# Altium PCB qwq.pcbdoc (part 3 of 3)
Units mil, origin at the board's own origin, x right, y up, seen from the top; angles counter-clockwise.
Board outline 7804.77 x 7315.9 mil, 6 copper layers (Top Layer, Inner1, Inner2, Inner3, Mid-Layer 4, Bottom Layer), stack 84 mil thick; 54 components, 121 nets, 696 pads, 479 vias.
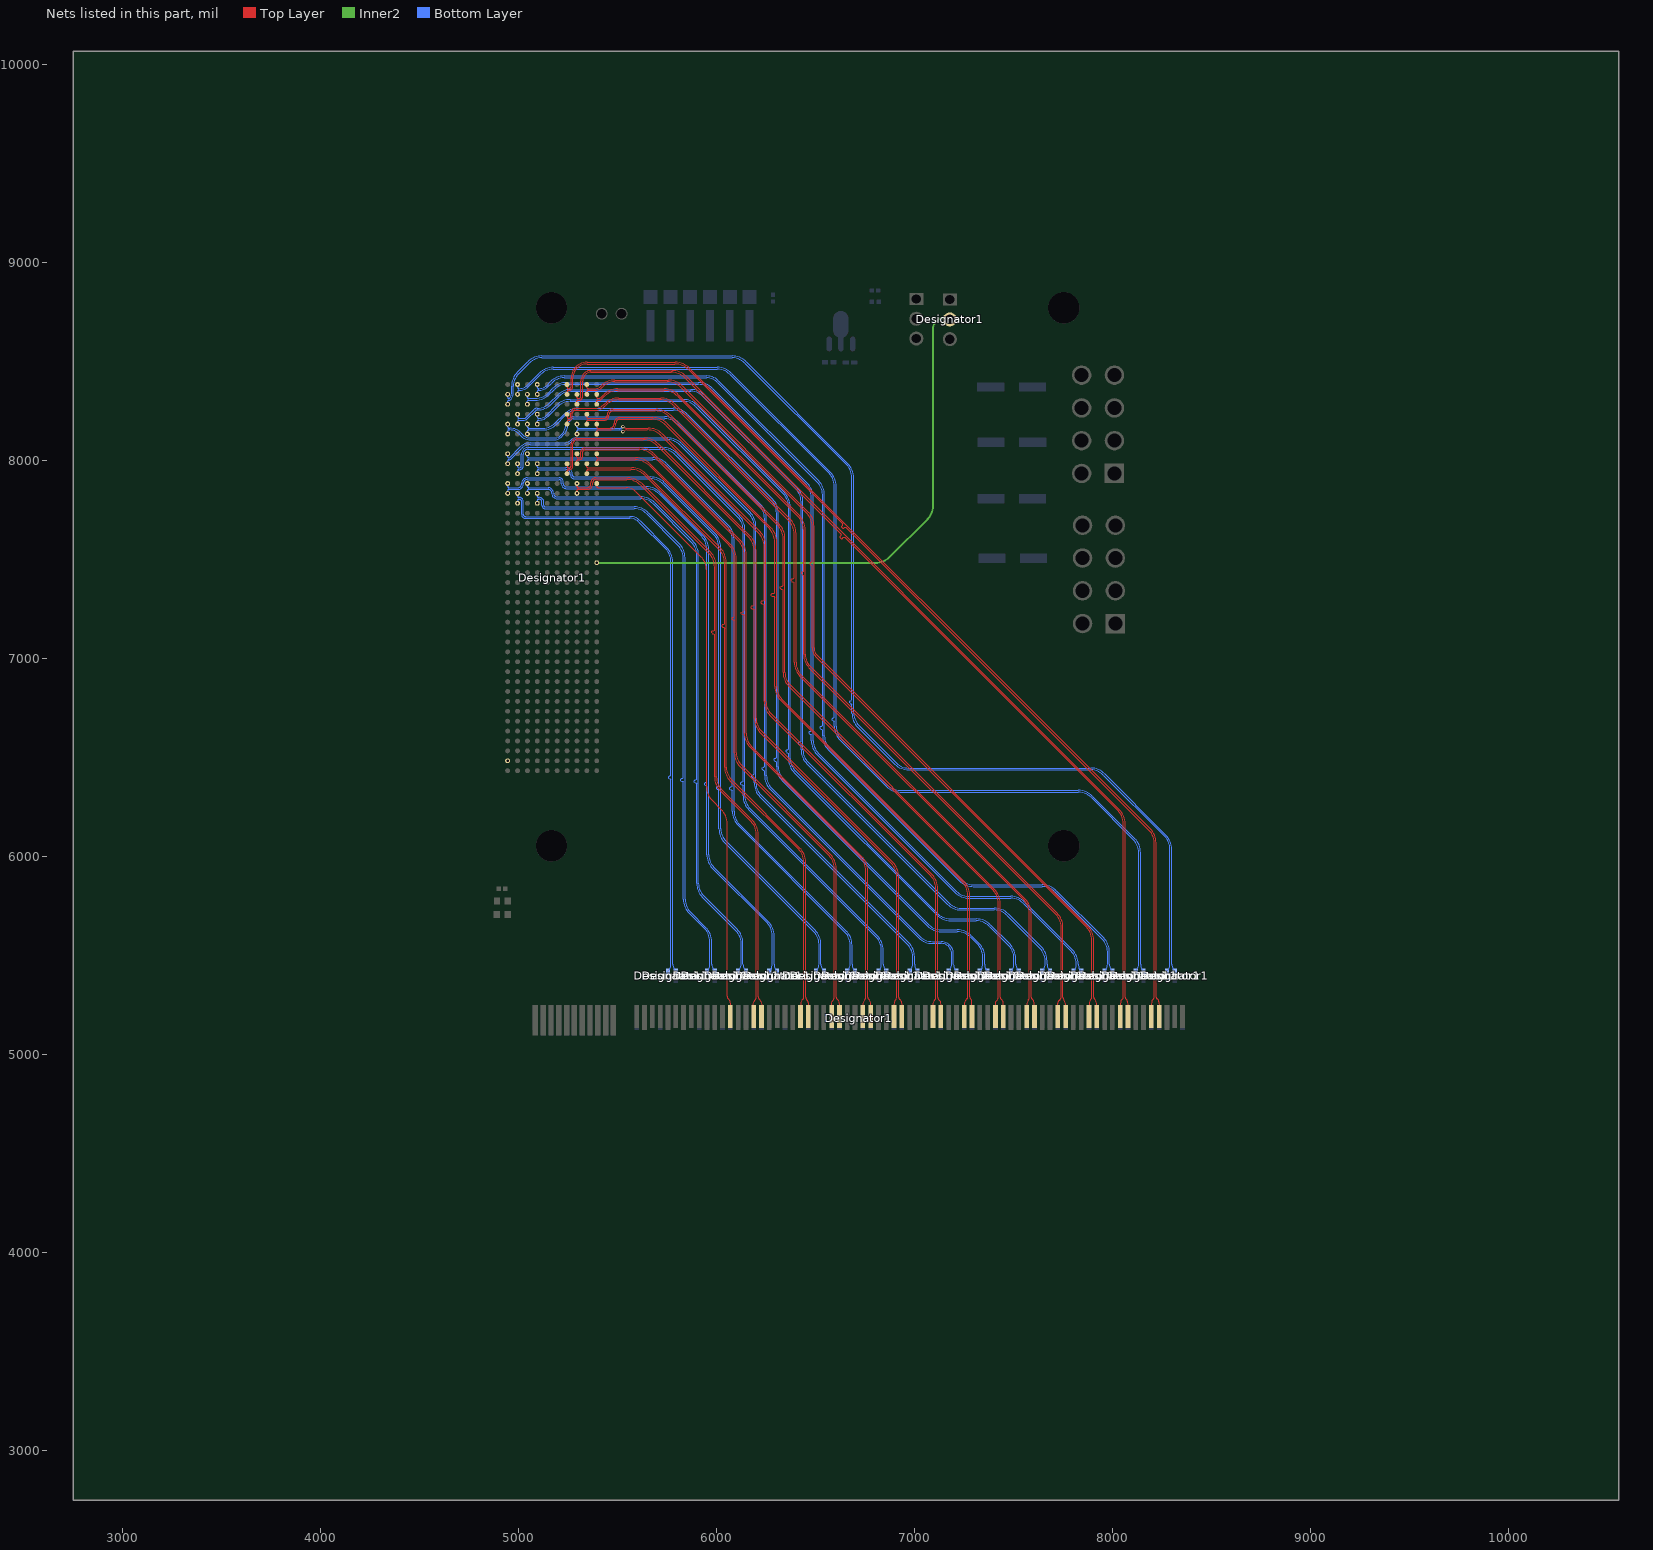
[diagram p7: the nets of this part, all layers, seen from the top]

## Via types
v1: diameter 17.7, hole 11.81, Top Layer to Bottom Layer, 285 vias
v2: diameter 17.72, hole 11.81, Top Layer to Bottom Layer, 142 vias
v3: diameter 17.7, hole 11.8, Top Layer to Bottom Layer, 52 vias

## Nets (pads, with @x,y where several pads share a name; then routed paths per layer and width w, separated by ;. In a path a pad name is that pad's centre, name@x,y a point inside that pad or via, vN(x,y) a via of type N, cw(c..) or ccw(c..) an arc to the next point about the centre after c; other vN are vias at no path point) (continued)
RX2-: Designator1.A11@5393.77,7882.76 Designator1.B24@6068.34,5191.27 | length 3008.8
  Top Layer w5.2: Designator1.A11@5393.77,7882.76 5393.77,7868.64 ccw(c5400.04,7868.64) 5395.6,7864.2 ccw(c5400.04,7868.64) 5400.04,7862.36 5541.8,7862.36 cw(c5541.8,7793.04) 5590.82,7842.06 5918.92,7513.96 cw(c5848.21,7443.25) 5948.21,7443.25 5948.21,6349 ccw(c6039.01,6349) 5974.8,6284.79 6023.02,6236.57 cw(c5952.31,6165.86) 6052.31,6165.86 6052.31,5292.92 ccw(c6067.37,5292.92) 6058.07,5281.08 cw(c6040.59,5258.78) 6068.33,5264.56 cw(c5984.27,5247.05) Designator1.B24@6069.58,5237.34
RX3+: Designator1.B27@6186.45,5191.27 Designator1.C12 | length 3260.2
  Top Layer w5.2: v3(5293.77,7832.76) 5293.77,7846.89 cw(c5300.04,7846.89) 5295.6,7851.33 cw(c5300.04,7846.89) 5300.04,7853.16 5345.93,7853.16 ccw(c5345.93,7880.43) 5373.19,7880.43 5373.19,7886.94 cw(c5389.2,7886.94) 5389.2,7902.95 5545.9,7902.95 cw(c5545.9,7802.95) 5616.61,7873.66 5959.5,7530.77 cw(c5888.79,7460.06) 5988.79,7460.06 5988.79,7143.06 5985.12,7139.38 5978.12,7139.38 5974.44,7135.71 5974.44,7128.06 5978.12,7124.38 5985.12,7124.38 5988.79,7120.71 5988.79,6401.91 ccw(c6088.79,6401.91) 6018.08,6331.2 6173.27,6176.01 cw(c6109.06,6111.81) 6199.86,6111.81 6199.86,5291.19 cw(c6176.4,5291.19) 6191.46,5273.2 ccw(c6213.84,5250.82) Designator1.B27@6182.4,5247.18
RX3-: Designator1.B28@6225.82,5191.27 Designator1.C11 | length 3258.3
  Top Layer w5.2: v3(5293.77,7882.76) 5293.77,7868.64 ccw(c5300.04,7868.64) 5295.6,7864.2 ccw(c5300.04,7868.64) 5300.04,7862.36 5345.93,7862.36 ccw(c5345.93,7880.43) 5363.99,7880.43 5363.99,7886.94 cw(c5389.2,7886.94) 5389.2,7912.15 5549.71,7912.15 cw(c5549.71,7812.15) 5620.42,7882.86 5968.7,7534.58 cw(c5897.99,7463.87) 5997.99,7463.87 5997.99,6401.91 ccw(c6088.79,6401.91) 6024.59,6337.7 6179.77,6182.52 cw(c6109.06,6111.81) 6209.06,6111.81 6209.06,5291.19 ccw(c6228.26,5291.19) 6213.8,5278.57 6222.15,5269.15 cw(c6201.7,5251.01) Designator1.B28@6228.45,5245.38
RX4+: Designator1.B10@5343.77,7932.76 Designator1.B33@6422.67,5191.27 | length 3339.7
  Top Layer w5.2: Designator1.B10@5343.77,7932.76 5343.77,7946.89 cw(c5350.04,7946.89) 5345.6,7951.33 cw(c5350.04,7946.89) 5350.04,7953.16 5566.7,7953.16 cw(c5566.7,7853.16) 5637.41,7923.88 6009.72,7551.57 cw(c5939.01,7480.86) 6039.01,7480.86 6039.01,7175.39 6035.33,7171.72 6031.24,7171.72 6027.56,7168.04 6027.56,7160.39 6031.24,7156.72 6035.33,7156.72 6039.01,7153.04 6039.01,6451.28 ccw(c6139.01,6451.28) 6068.3,6380.57 6413.24,6035.62 cw(c6349.04,5971.42) 6439.84,5971.42 6439.84,5287.77 cw(c6430.54,5287.77) 6435.97,5280.22 ccw(c6453.71,5255.54) 6423.41,5258 ccw(c6864.44,5222.23) Designator1.B33@6422.45,5242.96
RX4-: Designator1.B9@5343.77,7982.76 Designator1.B34@6462.04,5191.27 | length 3338.4
  Top Layer w5.2: Designator1.B9@5343.77,7982.76 5343.77,7968.64 ccw(c5350.04,7968.64) 5345.6,7964.2 ccw(c5350.04,7968.64) 5350.04,7962.36 5570.51,7962.36 cw(c5570.51,7862.36) 5641.22,7933.08 6018.92,7555.38 cw(c5948.21,7484.67) 6048.21,7484.67 6048.21,6451.28 ccw(c6139.01,6451.28) 6074.8,6387.07 6419.75,6042.13 cw(c6349.04,5971.42) 6449.04,5971.42 6449.04,5287.77 ccw(c6464.9,5287.77) 6455.76,5274.8 cw(c6440.97,5260.01) 6461.89,5259.77 ccw(c7010.22,5253.38) Designator1.B34@6461.94,5243.57
RX5+: Designator1.A9@5393.77,7982.76 Designator1.B37@6580.15,5191.27 | length 3411.9
  Top Layer w5.2: Designator1.A9@5393.77,7982.76 5393.77,7996.89 cw(c5400.04,7996.89) 5395.6,8001.33 cw(c5400.04,7996.89) 5400.04,8003.16 5587.41,8003.16 cw(c5587.41,7903.16) 5658.12,7973.88 6059.72,7572.28 cw(c5989.01,7501.57) 6089.01,7501.57 6089.01,7212.35 6085.33,7208.67 6080.89,7208.67 6077.21,7204.99 6077.21,7197.35 6080.89,7193.67 6085.33,7193.67 6089.01,7189.99 6089.01,6523.12 ccw(c6189.01,6523.12) 6118.3,6452.41 6566.94,6003.76 cw(c6502.74,5939.56) 6593.54,5939.56 6593.54,5287.8 cw(c6579.88,5287.8) 6588.69,5277.37 ccw(c6617.28,5248.78) Designator1.B37@6576.92,5246.39
RX5-: Designator1.A8@5393.77,8032.76 Designator1.B38@6619.52,5191.27 | length 3414.4
  Top Layer w5.2: Designator1.A8@5393.77,8032.76 5393.77,8018.64 ccw(c5400.04,8018.64) 5395.6,8014.2 ccw(c5400.04,8018.64) 5400.04,8012.36 5591.23,8012.36 cw(c5591.23,7912.36) 5661.94,7983.08 6068.92,7576.09 cw(c5998.21,7505.38) 6098.21,7505.38 6098.21,6523.12 ccw(c6189.01,6523.12) 6124.8,6458.91 6573.45,6010.27 cw(c6502.74,5939.56) 6602.74,5939.56 6602.74,5287.8 ccw(c6613.3,5287.8) 6607.3,5279.12 cw(c6591.54,5256.3) 6618.69,5261.95 cw(c6546.89,5246.99) Designator1.B38@6620.21,5245.1
RX6+: Designator1.B41 Designator1.C9 | length 3683
  Top Layer w5.2: Designator1.C9@5293.77,7982.76 5293.77,7996.89 cw(c5300.04,7996.89) 5295.6,8001.33 cw(c5300.04,7996.89) 5300.04,8003.16 5304.87,8003.16 ccw(c5304.87,8020.49) 5322.19,8020.49 5322.19,8041.95 cw(c5333.19,8041.95) 5333.19,8052.95 5608.04,8052.95 cw(c5608.04,7952.95) 5678.75,8023.66 6109.5,7592.9 cw(c6038.79,7522.19) 6138.79,7522.19 6138.79,7240.06 6135.12,7236.38 6128.24,7236.38 6124.56,7232.71 6124.56,7225.06 6128.24,7221.38 6135.12,7221.38 6138.79,7217.71 6138.79,6621.05 ccw(c6238.79,6621.05) 6168.08,6550.34 6725.76,5992.66 cw(c6661.56,5928.46) 6752.36,5928.46 6752.36,5289.28 cw(c6733.94,5289.28) 6747.67,5277 ccw(c6780.48,5247.68) 6739.62,5264.02 ccw(c6777.11,5249.03) Designator1.B41@6736.97,5244.73
RX6-: Designator1.B42 Designator1.C8 | length 3675.9
  Top Layer w5.2: Designator1.C8@5293.77,8032.76 5293.77,8018.64 ccw(c5300.04,8018.64) 5295.6,8014.2 ccw(c5300.04,8018.64) 5300.04,8012.36 5304.87,8012.36 ccw(c5304.87,8020.49) 5312.99,8020.49 5312.99,8041.95 cw(c5333.19,8041.95) 5333.19,8062.15 5611.85,8062.15 cw(c5611.85,7962.15) 5682.56,8032.86 6118.7,7596.71 cw(c6047.99,7526) 6147.99,7526 6147.99,6621.05 ccw(c6238.79,6621.05) 6174.59,6556.85 6732.27,5999.17 cw(c6661.56,5928.46) 6761.56,5928.46 6761.56,5289.28 ccw(c6775.26,5289.28) 6766.58,5278.68 cw(c6750.1,5258.54) 6775.16,5265.54 cw(c6711.68,5247.81) Designator1.B42@6777.59,5247.84
RX7+: Designator1.B45 Designator1.D10 | length 3955.8
  Top Layer w5.2: Designator1.D10@5244.13,7932.76 5244.13,7946.89 cw(c5250.41,7946.89) 5245.97,7951.33 cw(c5250.41,7946.89) 5250.41,7953.16 5254.82,7953.16 ccw(c5254.82,7971.54) 5273.19,7971.54 5273.19,8083.02 cw(c5293.12,8083.02) 5293.12,8102.95 5628.75,8102.95 cw(c5628.75,8002.95) 5699.46,8073.66 6159.5,7613.61 cw(c6088.79,7542.9) 6188.79,7542.9 6188.79,7268.93 6185.12,7265.25 6176.74,7265.25 6173.06,7261.58 6173.06,7253.93 6176.74,7250.25 6185.12,7250.25 6188.79,7246.58 6188.79,6698.67 ccw(c6288.79,6698.67) 6218.08,6627.96 6881.72,5964.33 cw(c6817.51,5900.12) 6908.31,5900.12 6908.31,5289.64 cw(c6885.58,5289.64) 6903.03,5275.08 ccw(c6931.6,5251.25) Designator1.B45@6894.72,5246.38
RX7-: Designator1.B46 Designator1.D9 | length 3950.7
  Top Layer w5.2: Designator1.D9@5243.77,7982.76 5243.77,7969.26 ccw(c5250.66,7969.26) 5245.79,7964.38 ccw(c5250.66,7969.26) 5250.66,7962.36 5254.82,7962.36 ccw(c5254.82,7971.54) 5263.99,7971.54 5263.99,8083.02 cw(c5293.12,8083.02) 5293.12,8112.15 5632.56,8112.15 cw(c5632.56,8012.15) 5703.27,8082.86 6168.7,7617.42 cw(c6097.99,7546.71) 6197.99,7546.71 6197.99,6698.67 ccw(c6288.79,6698.67) 6224.59,6634.47 6888.22,5970.83 cw(c6817.51,5900.12) 6917.51,5900.12 6917.51,5289.64 ccw(c6931.24,5289.64) 6921.72,5279.75 ccw(c6989.04,5349.67) 6926.39,5275.54 cw(c6910.97,5257.3) 6934.47,5261.53 cw(c6886.61,5252.92) Designator1.B46@6934.81,5246.49
RX8+: Designator1.B50 Designator1.C6 | length 3922.5
  Top Layer w5.2: v3(5525.99,8145.15) 5526.21,8145.37 cw(c5544.99,8126.59) 5544.99,8153.15 5649.54,8153.15 cw(c5649.54,8053.15) 5720.25,8123.86 6209.7,7634.41 cw(c6138.99,7563.7) 6238.99,7563.7 6238.99,7294.34 6235.31,7290.66 6227.55,7290.66 6223.87,7286.98 6223.87,7279.34 6227.55,7275.66 6235.31,7275.66 6238.99,7271.98 6238.99,6784.25 ccw(c6338.99,6784.25) 6268.28,6713.54 7079.71,5902.11 cw(c7015.5,5837.91) 7106.3,5837.91 7106.3,5289 cw(c7088.23,5289) 7103.55,5279.42 cw(c7057.94,5307.94) 7098.09,5272.13 ccw(c7122.12,5250.69) Designator1.B50@7090.34,5245.48
  Bottom Layer w5.2: v1(5293.77,8132.76) 5293.77,8146.89 cw(c5300.04,8146.89) 5295.6,8151.33 cw(c5300.04,8146.89) 5300.04,8153.16 5508.95,8153.16 ; 5509,8153.15 cw(c5509,8131.42) 5524.36,8146.78 v3(5525.99,8145.15)
RX8-: Designator1.B51 Designator1.C5 | length 3921.5
  Top Layer w5.2: v3(5525.99,8170.35) 5526.21,8170.13 ccw(c5544.99,8188.91) 5544.99,8162.35 5653.35,8162.35 cw(c5653.35,8062.35) 5724.06,8133.06 6218.9,7638.22 cw(c6148.19,7567.51) 6248.19,7567.51 6248.19,6784.25 ccw(c6338.99,6784.25) 6274.79,6720.04 7086.21,5908.62 cw(c7015.5,5837.91) 7115.5,5837.91 7115.5,5289 ccw(c7132.27,5289) 7120.41,5277.14 ccw(c7450.7,5607.28) 7126.68,5270.99 cw(c7115.72,5259.63) 7131.35,5261.88 cw(c7022.54,5246.19) Designator1.B51@7132.37,5241.49
  Bottom Layer w5.2: v1(5293.77,8182.76) 5293.77,8168.64 ccw(c5300.04,8168.64) 5295.6,8164.2 ccw(c5300.04,8168.64) 5300.04,8162.36 5512.77,8162.36 ; 5512.81,8162.35 ccw(c5512.81,8174.87) 5521.66,8166.02 v3(5525.99,8170.35)
RX9+: Designator1.A6@5393.77,8132.76 Designator1.B54 | length 3989.9
  Top Layer w5.2: Designator1.A6@5393.77,8132.94 5393.77,8146.97 cw(c5400.04,8146.97) 5395.6,8151.41 cw(c5400.04,8146.97) 5400.04,8153.25 5458.1,8153.25 ccw(c5458.1,8186.15) 5490.99,8186.15 5490.99,8187.92 cw(c5510.22,8187.92) 5510.22,8207.15 5671.91,8207.15 cw(c5671.91,8107.15) 5742.62,8177.86 6263.7,7656.77 cw(c6192.99,7586.06) 6292.99,7586.06 6292.99,7331.29 6289.32,7327.61 6279.51,7327.61 6275.83,7323.93 6275.83,7316.29 6279.51,7312.61 6289.32,7312.61 6292.99,7308.93 6292.99,6858.33 ccw(c6392.99,6858.33) 6322.28,6787.62 7241.34,5868.56 cw(c7177.14,5804.35) 7267.94,5804.35 7267.94,5290.01 cw(c7257.12,5290.01) 7263.11,5281 ccw(c7278.13,5258.39) 7252.25,5266.57 ccw(c7304.5,5250.06) Designator1.B54@7249.97,5244.63
RX9-: Designator1.A5@5393.77,8182.76 Designator1.B55 | length 3992.9
  Top Layer w5.15: Designator1.B55@7290.08,5230.57 Designator1.B55@7290.08,5245.7
  Top Layer w5.2: Designator1.A5@5393.77,8182.76 5393.77,8168.73 ccw(c5400.04,8168.73) 5395.6,8164.29 ccw(c5400.04,8168.73) 5400.04,8162.45 5458.1,8162.45 ccw(c5458.1,8186.15) 5481.79,8186.15 5481.79,8187.92 cw(c5510.22,8187.92) 5510.22,8216.35 5675.72,8216.35 cw(c5675.72,8116.35) 5746.43,8187.06 6272.9,7660.58 cw(c6202.19,7589.87) 6302.19,7589.87 6302.19,6858.33 ccw(c6392.99,6858.33) 6328.79,6794.12 7247.85,5875.06 cw(c7177.14,5804.35) 7277.14,5804.35 7277.14,5290.01 ccw(c7286.59,5290.01) 7280.12,5283.13 cw(c7264.6,5266.62) 7287.03,5269.84 cw(c7076.61,5239.62) Designator1.B55@7289.15,5243.34
RX10+: Designator1.B5@5343.77,8182.76 Designator1.B58 | length 4145.3
  Top Layer w5.2: Designator1.B5@5343.77,8182.76 5343.77,8196.89 cw(c5350.04,8196.89) 5345.6,8201.33 cw(c5350.04,8196.89) 5350.04,8203.16 5433.21,8203.16 ccw(c5433.21,8225.15) 5455.19,8225.15 5455.19,8227.08 cw(c5477.06,8227.08) 5477.06,8248.95 5689.22,8248.95 cw(c5689.22,8148.95) 5759.93,8219.66 6305.5,7674.09 cw(c6234.79,7603.38) 6334.79,7603.38 6334.79,7368.24 6331.12,7364.56 6324.55,7364.56 6320.87,7360.89 6320.87,7353.24 6324.55,7349.56 6331.12,7349.56 6334.79,7345.89 6334.79,6929.95 ccw(c6434.79,6929.95) 6364.08,6859.24 7395,5828.32 cw(c7330.8,5764.12) 7421.6,5764.12 7421.6,5288.15 cw(c7405.48,5288.15) 7418.28,5278.36 cw(c7260.81,5398.76) 7411.56,5270.05 ccw(c7432.2,5252.43) Designator1.B58@7406.78,5242.94
RX10-: Designator1.B4@5343.77,8232.76 Designator1.B59 | length 4139.2
  Top Layer w5.2: Designator1.B4@5343.77,8232.76 5343.77,8218.64 ccw(c5350.04,8218.64) 5345.6,8214.2 ccw(c5350.04,8218.64) 5350.04,8212.36 5433.21,8212.36 ccw(c5433.21,8225.15) 5445.99,8225.15 5445.99,8227.08 cw(c5477.06,8227.08) 5477.06,8258.15 5693.03,8258.15 cw(c5693.03,8158.15) 5763.74,8228.86 6314.7,7677.9 cw(c6243.99,7607.19) 6343.99,7607.19 6343.99,6929.95 ccw(c6434.79,6929.95) 6370.59,6865.75 7401.51,5834.83 cw(c7330.8,5764.12) 7430.8,5764.12 7430.8,5288.15 ccw(c7441.52,5288.15) 7434.34,5280.18 cw(c7390.38,5231.35) 7441.75,5272.33 cw(c7423.79,5258) 7446.76,5258.31 cw(c7236.57,5255.42) Designator1.B59@7446.53,5245.22
RX11+: Designator1.B62 Designator1.D5 | length 4404.3
  Top Layer w5.2: Designator1.D5@5243.77,8182.76 5243.77,8196.89 cw(c5250.04,8196.89) 5245.6,8201.33 cw(c5250.04,8196.89) 5250.04,8203.16 5254.45,8203.16 ccw(c5254.45,8219.9) 5271.19,8219.9 5271.19,8238.08 cw(c5286.06,8238.08) 5286.06,8252.95 5386.83,8252.95 ccw(c5386.83,8320.48) 5434.58,8272.73 5440.21,8278.35 cw(c5504.41,8214.15) 5504.41,8304.95 5712.42,8304.95 cw(c5712.42,8204.95) 5783.13,8275.66 6361.5,7697.28 cw(c6290.79,7626.57) 6390.79,7626.57 6390.79,7406.35 6387.12,7402.67 6378.82,7402.67 6375.14,7398.99 6375.14,7391.35 6378.82,7387.67 6387.12,7387.67 6390.79,7383.99 6390.79,6979.73 ccw(c6490.79,6979.73) 6420.08,6909.02 7551.44,5777.65 cw(c7487.24,5713.45) 7578.04,5713.45 7578.04,5289.85 cw(c7553.57,5289.85) 7573.21,5275.25 ccw(c7611.89,5246.49) Designator1.B62@7563.75,5243.93
RX11-: Designator1.B63 Designator1.D4 | length 4401.7
  Top Layer w5.2: Designator1.D4@5243.77,8232.76 5243.77,8218.64 ccw(c5250.04,8218.64) 5245.6,8214.2 ccw(c5250.04,8218.64) 5250.04,8212.36 5254.45,8212.36 ccw(c5254.45,8219.9) 5261.99,8219.9 5261.99,8238.08 cw(c5286.06,8238.08) 5286.06,8262.15 5386.83,8262.15 ccw(c5386.83,8320.48) 5428.08,8279.23 5433.7,8284.86 cw(c5504.41,8214.15) 5504.41,8314.15 5716.23,8314.15 cw(c5716.23,8214.15) 5786.94,8284.86 6370.7,7701.09 cw(c6299.99,7630.38) 6399.99,7630.38 6399.99,6979.73 ccw(c6490.79,6979.73) 6426.59,6915.52 7557.95,5784.16 cw(c7487.24,5713.45) 7587.24,5713.45 7587.24,5289.85 ccw(c7602.49,5289.85) 7594.16,5277.08 cw(c7586.15,5264.77) 7600.32,5268.65 cw(c7530.49,5249.52) Designator1.B63@7602.37,5240.85
RX12+: Designator1.A3@5393.77,8282.76 Designator1.B66 | length 4334.5
  Top Layer w5.2: Designator1.A3@5393.77,8282.76 5393.77,8296.89 cw(c5400.04,8296.89) 5395.6,8301.33 cw(c5400.04,8296.89) 5400.04,8303.16 5403.58,8303.16 ccw(c5403.58,8325.96) 5419.7,8309.84 5435.21,8325.35 cw(c5499.41,8261.15) 5499.41,8351.95 5731.89,8351.95 cw(c5731.89,8251.95) 5802.6,8322.66 6408.5,7716.75 cw(c6337.79,7646.04) 6437.79,7646.04 6437.79,7440.99 6434.12,7437.31 6431.47,7437.31 6427.79,7433.64 6427.79,7425.99 6431.47,7422.31 6434.12,7422.31 6437.79,7418.64 6437.79,7020.02 ccw(c6531.94,7020.02) 6465.37,6953.45 7711.98,5706.84 cw(c7647.77,5642.63) 7738.57,5642.63 7738.57,5288.83 cw(c7723.43,5288.83) 7736.09,5280.52 cw(c7712.64,5295.9) 7731.93,5275.55 ccw(c7741.56,5263.46) 7730.65,5274.41 cw(c7712.64,5295.9) 7729.56,5273.54 ccw(c7741.93,5257.2) 7721.44,5257.44 cw(c7540.46,5259.57) Designator1.B66@7720.83,5244.6
RX12-: Designator1.A2@5393.77,8332.76 Designator1.B67 | length 4334.1
  Top Layer w5.2: Designator1.A2@5393.77,8332.76 5393.77,8318.64 ccw(c5400.04,8318.64) 5395.6,8314.2 ccw(c5400.04,8318.64) 5400.04,8312.36 5403.58,8312.36 ccw(c5403.58,8325.96) 5413.19,8316.35 5428.7,8331.86 cw(c5499.41,8261.15) 5499.41,8361.15 5735.7,8361.15 cw(c5735.7,8261.15) 5806.41,8331.86 6417.7,7720.56 cw(c6346.99,7649.85) 6446.99,7649.85 6446.99,7020.02 ccw(c6531.94,7020.02) 6471.87,6959.95 7718.48,5713.34 cw(c7647.77,5642.63) 7747.77,5642.63 7747.77,5288.83 ccw(c7763.2,5288.83) 7750.96,5279.44 cw(c7708.04,5246.53) Designator1.B67@7762.12,5246.29
RX13+: Designator1.B2@5343.77,8332.76 Designator1.B70 | length 4498.6
  Top Layer w5.2: Designator1.B2@5343.77,8332.76 5343.77,8346.89 cw(c5350.04,8346.89) 5345.6,8351.33 cw(c5350.04,8346.89) 5350.04,8353.16 5387.94,8353.16 ccw(c5387.94,8396.8) 5418.8,8365.95 5423.06,8370.21 cw(c5485.2,8308.07) 5485.2,8395.95 5750.11,8395.95 cw(c5750.11,8295.95) 5820.82,8366.66 6452.5,7734.98 cw(c6381.79,7664.27) 6481.79,7664.27 6481.79,7489.49 6478.12,7485.81 6475.47,7485.81 6471.79,7482.14 6471.79,7474.49 6475.47,7470.81 6478.12,7470.81 6481.79,7467.14 6481.79,7052.25 ccw(c6543.72,7052.25) 6499.93,7008.46 7867.33,5641.07 cw(c7803.12,5576.86) 7893.92,5576.86 7893.92,5289.6 cw(c7879.54,5289.6) 7890.19,5279.93 ccw(c7920.45,5252.45) Designator1.B70@7880.16,5245.53
RX13-: Designator1.B1@5343.77,8382.76 Designator1.B71 | length 4503.6
  Top Layer w5.2: Designator1.B1@5343.77,8382.76 5343.77,8368.64 ccw(c5350.04,8368.64) 5345.6,8364.2 ccw(c5350.04,8368.64) 5350.04,8362.36 5387.94,8362.36 ccw(c5387.94,8396.8) 5412.3,8372.45 5416.56,8376.72 cw(c5485.2,8308.07) 5485.2,8405.15 5753.92,8405.15 cw(c5753.92,8305.15) 5824.63,8375.86 6461.7,7738.79 cw(c6390.99,7668.08) 6490.99,7668.08 6490.99,7052.25 ccw(c6543.72,7052.25) 6506.44,7014.96 7873.83,5647.57 cw(c7803.12,5576.86) 7903.12,5576.86 7903.12,5289.6 ccw(c7915.27,5289.6) 7906.06,5281.68 cw(c7868.01,5248.97) Designator1.B71@7917.98,5244.47
RX14+: Designator1.B74 Designator1.C3 | length 4799.6
  Top Layer w5.2: Designator1.C3@5293.77,8282.76 5293.77,8296.89 cw(c5300.04,8296.89) 5295.6,8301.33 cw(c5300.04,8296.89) 5300.04,8303.16 5304.4,8303.16 ccw(c5304.4,8320.96) 5322.19,8320.96 5322.19,8400.14 cw(c5366.13,8400.14) 5335.06,8431.21 5337.1,8433.25 cw(c5362.94,8407.4) 5362.94,8443.95 5769.99,8443.95 cw(c5769.99,8343.95) 5840.7,8414.66 6629.11,7626.25 6629.11,7621.05 6623.28,7615.22 6623.28,7610.02 6628.68,7604.61 6633.88,7604.61 6639.72,7610.44 6644.92,7610.44 8025.92,6229.44 cw(c7961.71,6165.24) 8052.51,6165.24 8052.51,5289.34 cw(c8037.28,5289.34) 8046,5276.85 ccw(c8056.12,5262.36) 8038.6,5264.66 ccw(c8114.31,5254.72) Designator1.B74@8039.05,5241.77
RX14-: Designator1.B75 Designator1.C2 | length 4791
  Top Layer w5.2: Designator1.C2@5293.77,8332.76 5293.77,8318.64 ccw(c5300.04,8318.64) 5295.6,8314.2 ccw(c5300.04,8318.64) 5300.04,8312.36 5304.4,8312.36 ccw(c5304.4,8320.96) 5312.99,8320.96 5312.99,8400.14 cw(c5366.13,8400.14) 5328.56,8437.71 5330.59,8439.75 cw(c5362.94,8407.4) 5362.94,8453.15 5773.8,8453.15 cw(c5773.8,8353.15) 5844.51,8423.86 8032.43,6235.95 cw(c7961.71,6165.24) 8061.71,6165.24 8061.71,5289.34 ccw(c8074.67,5289.34) 8066.28,5279.47 cw(c8048.08,5258.08) 8075.96,5261.47 cw(c8000.59,5252.29) Designator1.B75@8075.85,5242.22
RX15+: Designator1.B78 Designator1.D2 | length 4945.5
  Top Layer w5.2: Designator1.D2@5243.77,8332.76 5243.77,8346.89 cw(c5250.04,8346.89) 5245.6,8351.33 cw(c5250.04,8346.89) 5250.04,8353.16 5254.49,8353.16 ccw(c5254.49,8371.87) 5273.19,8371.87 5273.19,8414.15 cw(c5344.99,8414.15) 5344.99,8485.95 5787.39,8485.95 cw(c5787.39,8385.95) 5858.1,8456.66 6636.3,7678.46 6636.3,7673.26 6630.12,7667.07 6630.12,7661.87 6635.52,7656.47 6640.72,7656.47 6646.91,7662.65 6652.11,7662.65 8182.28,6132.48 cw(c8118.07,6068.28) 8208.87,6068.28 8208.87,5289.6 cw(c8196.12,5289.6) 8203.9,5279.5 ccw(c8217.71,5261.58) 8195.13,5262.98 ccw(c9077.66,5208.2) Designator1.B78@8194.11,5242.71
RX15-: Designator1.B79 Designator1.D1 | length 4940.6
  Top Layer w5.2: Designator1.D1@5243.77,8382.76 5243.77,8368.64 ccw(c5250.04,8368.64) 5245.6,8364.2 ccw(c5250.04,8368.64) 5250.04,8362.36 5254.49,8362.36 ccw(c5254.49,8371.87) 5263.99,8371.87 5263.99,8414.15 cw(c5344.99,8414.15) 5344.99,8495.15 5791.2,8495.15 cw(c5791.2,8395.15) 5861.91,8465.86 8188.78,6138.99 cw(c8118.07,6068.28) 8218.07,6068.28 8218.07,5289.6 ccw(c8227.92,5289.6) 8223.15,5280.98 cw(c8214.65,5265.59) 8232.15,5267.2 Designator1.B79@8234.43,5239.86
SXM_PRSNT2: Designator1.K39
  other v1: 4943.77,6482.77
THERM_OVER#: Designator1.2@7176.59,8711.54 Designator1.A19@5393.77,7482.76 | length 2847
  Inner2 w10: v1@5392.41,7481.11 6800.74,7481.11 ccw(c6800.74,7581.11) 6871.45,7510.4 7064.13,7703.08 ccw(c6998.38,7768.82) 7091.36,7768.82 7091.36,8666.75 cw(c7131.06,8666.75) 7102.99,8694.82 7117.05,8708.89 cw(c7134.42,8691.52) 7134.42,8716.08 Designator1.2@7180.77,8716.08
  other v1: 5393.77,7482.76
TX0+: Designator1.2@5753.41,5419.39 Designator1.J13 | length 3066.3
  Bottom Layer w5.2: v1(4993.77,7782.76) 4993.77,7796.89 cw(c5000.04,7796.89) 4995.6,7801.33 cw(c5000.04,7796.89) 5000.04,7803.16 5004.49,7803.16 cw(c5004.49,7793.64) 5014.02,7793.64 5014.02,7726.92 ccw(c5034.04,7726.92) 5034.04,7706.9 5560.98,7706.9 cw(c5560.98,7643.2) 5606.02,7688.24 5742,7552.26 cw(c5677.79,7488.06) 5768.59,7488.06 5768.59,6410.4 5764.92,6406.73 5762.27,6406.73 5758.59,6403.05 5758.59,6395.4 5762.27,6391.73 5764.92,6391.73 5768.59,6388.05 5768.59,5456.04 cw(c5716.76,5456.04) Designator1.2@5753.41,5419.39
TX0-: Designator1.2@5792.97,5419.39 Designator1.J12 | length 3070.1
  Bottom Layer w5.15: v1(4993.77,7832.76) cw(c4993.77,7831.82) v1@4994.44,7832.49
  Bottom Layer w5.2: v1(4993.77,7832.76) 4993.77,7818.64 ccw(c5000.04,7818.64) 4995.6,7814.2 ccw(c5000.04,7818.64) 5000.04,7812.36 5004.49,7812.36 cw(c5004.49,7793.64) 5023.22,7793.64 5023.22,7726.92 ccw(c5034.04,7726.92) 5034.04,7716.1 5560.98,7716.1 cw(c5560.98,7643.2) 5612.52,7694.75 5748.5,7558.77 cw(c5677.79,7488.06) 5777.79,7488.06 5777.79,5456.04 ccw(c5829.63,5456.04) Designator1.2@5792.97,5419.39